# Altium PCB Audio-Beamformer_V1.0.PcbDoc (part 6 of 11) (continued)
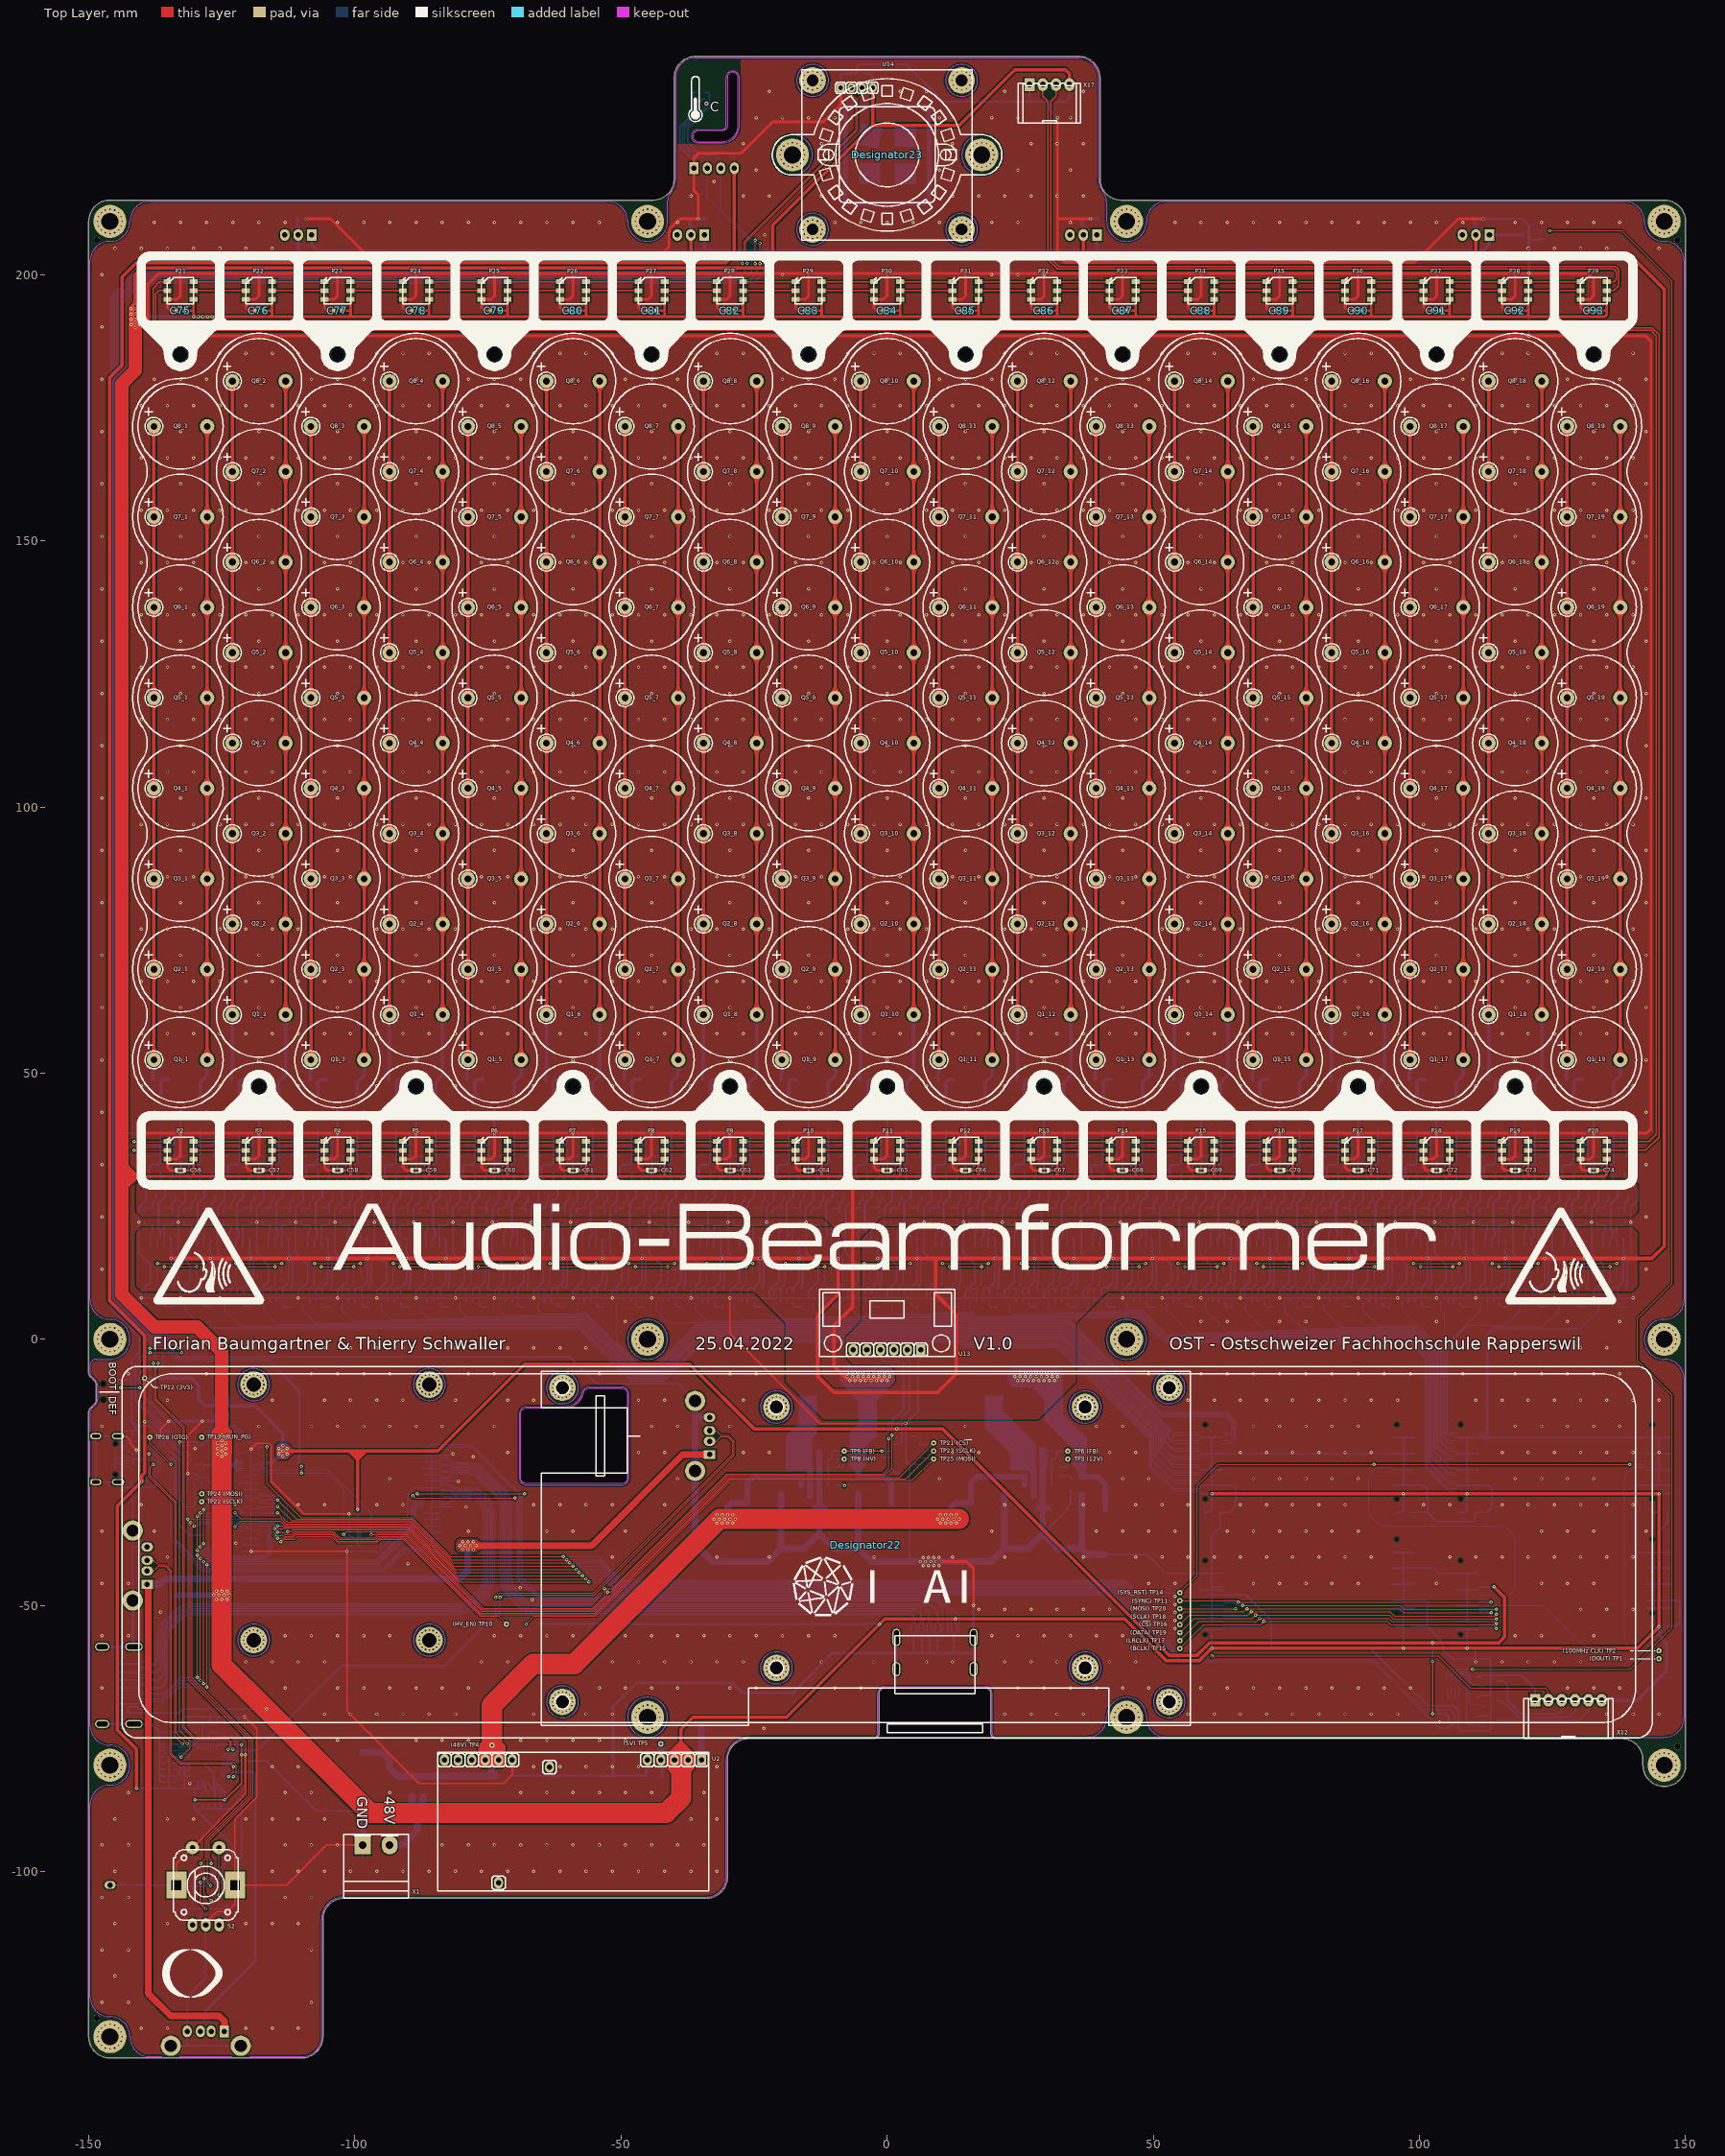
[diagram p0: Top Layer view]
## Nets (pads, with @x,y where several pads share a name; then routed paths per layer and width w, separated by ;. In a path a pad name is that pad's centre, name@x,y a point inside that pad or via, vN(x,y) a via of type N, cw(c..) or ccw(c..) an arc to the next point about the centre after c; other vN are vias at no path point) (continued)
22.125,155.75 27.042,155.75 31.958,155.75 36.875,155.75 41.792,155.75 46.708,155.75 51.625,155.75 56.542,155.75 61.458,155.75 66.375,155.75 71.292,155.75 76.208,155.75 81.125,155.75 86.042,155.75 90.958,155.75 95.875,155.75 100.792,155.75 105.708,155.75 110.625,155.75 115.542,155.75 120.458,155.75 125.375,155.75 130.292,155.75 135.208,155.75 140.125,155.75 -147.5,160.667 -132.75,160.667 -118,160.667 -103.25,160.667 -88.5,160.667 -73.75,160.667 -59,160.667 -44.25,160.667 -29.5,160.667 -14.75,160.667 0,160.667 14.75,160.667 29.5,160.667 44.25,160.667 59,160.667 73.75,160.667 88.5,160.667 103.25,160.667 118,160.667 132.75,160.667 142.583,160.667 -140.125,165.583 -135.208,165.583 -130.292,165.583 -125.375,165.583 -120.458,165.583 -115.542,165.583 -110.625,165.583 -105.708,165.583 -100.792,165.583 -95.875,165.583 -90.958,165.583 -86.042,165.583 -81.125,165.583 -76.208,165.583 -71.292,165.583 -66.375,165.583 -61.458,165.583 -56.542,165.583 -51.625,165.583 -46.708,165.583 -41.792,165.583 -36.875,165.583 -31.958,165.583 -27.042,165.583 -22.125,165.583 -17.208,165.583 -12.292,165.583 -7.375,165.583 -2.458,165.583 2.458,165.583 7.375,165.583 12.292,165.583 17.208,165.583 22.125,165.583 27.042,165.583 31.958,165.583 36.875,165.583 41.792,165.583 46.708,165.583 51.625,165.583 56.542,165.583 61.458,165.583 66.375,165.583 71.292,165.583 76.208,165.583 81.125,165.583 86.042,165.583 90.958,165.583 95.875,165.583 100.792,165.583 105.708,165.583 110.625,165.583 115.542,165.583 120.458,165.583 125.375,165.583 130.292,165.583 135.208,165.583 140.125,165.583 -147.5,170.5 -132.75,170.5 -118,170.5 -103.25,170.5 -88.5,170.5 -73.75,170.5 -59,170.5 -44.25,170.5 -29.5,170.5 -14.75,170.5 0,170.5 14.75,170.5 29.5,170.5 44.25,170.5 59,170.5 73.75,170.5 88.5,170.5 103.25,170.5 118,170.5 132.75,170.5 142.583,170.5 -140.125,175.417 -135.208,175.417 -130.292,175.417 -125.375,175.417 -120.458,175.417 -115.542,175.417 -110.625,175.417 -105.708,175.417 -100.792,175.417 -95.875,175.417 -90.958,175.417 -86.042,175.417 -81.125,175.417 -76.208,175.417 -71.292,175.417 -66.375,175.417 -61.458,175.417 -56.542,175.417 -51.625,175.417 -46.708,175.417 -41.792,175.417 -36.875,175.417 -31.958,175.417 -27.042,175.417 -22.125,175.417 -17.208,175.417 -12.292,175.417 -7.375,175.417 -2.458,175.417 2.458,175.417 7.375,175.417 12.292,175.417 17.208,175.417 22.125,175.417 27.042,175.417 31.958,175.417 36.875,175.417 41.792,175.417 46.708,175.417 51.625,175.417 56.542,175.417 61.458,175.417 66.375,175.417 71.292,175.417 76.208,175.417 81.125,175.417 86.042,175.417 90.958,175.417 95.875,175.417 100.792,175.417 105.708,175.417 110.625,175.417 115.542,175.417 120.458,175.417 125.375,175.417 130.292,175.417 135.208,175.417 140.125,175.417 -147.5,180.333 -137.667,180.333 -132.75,180.333 -127.833,180.333 -118,180.333 -108.167,180.333 -103.25,180.333 -98.333,180.333 -88.5,180.333 -78.667,180.333 -73.75,180.333 -68.833,180.333 -59,180.333 -49.167,180.333 -44.25,180.333 -39.333,180.333 -29.5,180.333 -19.667,180.333 -14.75,180.333 -9.833,180.333 0,180.333 9.833,180.333 14.75,180.333 19.667,180.333 29.5,180.333 39.333,180.333 44.25,180.333 49.167,180.333 59,180.333 68.833,180.333 73.75,180.333 78.667,180.333 88.5,180.333 98.333,180.333 103.25,180.333 108.167,180.333 118,180.333 127.833,180.333 132.75,180.333 137.667,180.333 142.583,180.333 -135.208,185.25 -130.292,185.25 -125.375,185.25 -120.458,185.25 -115.542,185.25 -110.625,185.25 -105.708,185.25 -100.792,185.25 -95.875,185.25 -90.958,185.25 -86.042,185.25 -81.125,185.25 -76.208,185.25 -71.292,185.25 -66.375,185.25 -61.458,185.25 -56.542,185.25 -51.625,185.25 -46.708,185.25 -41.792,185.25 -36.875,185.25 -31.958,185.25 -27.042,185.25 -22.125,185.25 -17.208,185.25 -12.292,185.25 -7.375,185.25 -2.458,185.25 2.458,185.25 7.375,185.25 12.292,185.25 17.208,185.25 22.125,185.25 27.042,185.25 31.958,185.25 36.875,185.25 41.792,185.25 46.708,185.25 51.625,185.25 56.542,185.25 61.458,185.25 66.375,185.25 71.292,185.25 76.208,185.25 81.125,185.25 86.042,185.25 90.958,185.25 95.875,185.25 100.792,185.25 105.708,185.25 110.625,185.25 115.542,185.25 120.458,185.25 125.375,185.25 130.292,185.25 135.208,185.25 140.125,185.25 -147.5,190.167 -125.375,195.083 -110.625,195.083 -95.875,195.083 -81.125,195.083 -66.375,195.083 -51.625,195.083 -36.875,195.083 -22.125,195.083 22.125,195.083 36.875,195.083 51.625,195.083 66.375,195.083 81.125,195.083 95.875,195.083 110.625,195.083 125.375,195.083 140.125,195.083 -147.5,200 -19.667,200 19.667,200 24.583,200 29.5,200 -145.042,204.917 -140.125,204.917 -135.208,204.917 -130.292,204.917 -125.375,204.917 -120.458,204.917 -115.542,204.917 120.458,204.917 125.375,204.917 130.292,204.917 135.208,204.917 145.042,204.917 -23,207.5 -137.667,209.833 -132.75,209.833 -127.833,209.833 -122.917,209.833 -118,209.833 -113.083,209.833 -103.25,209.833 -98.333,209.833 -93.417,209.833 -88.5,209.833 -83.583,209.833 -78.667,209.833 -73.75,209.833 -68.833,209.833 -63.917,209.833 -59,209.833 -54.083,209.833 -39.333,209.833 -9.833,209.833 -4.917,209.833 0,209.833 4.917,209.833 9.833,209.833 19.667,209.833 24.583,209.833 34.417,209.833 54.083,209.833 59,209.833 63.917,209.833 68.833,209.833 73.75,209.833 78.667,209.833 83.583,209.833 88.5,209.833 93.417,209.833 98.333,209.833 103.25,209.833 108.167,209.833 118,209.833 122.917,209.833 127.833,209.833 132.75,209.833 137.667,209.833 -36.875,214.75 -27.042,214.75 -22.125,214.75 -12.292,214.75 12.292,214.75 17.208,214.75 22.125,214.75 27.042,214.75 31.958,214.75 36.875,214.75 -32.5,217.5 -24.583,219.667 9.833,219.667 24.583,219.667 34.417,219.667 -27.042,224.583 -12.292,224.583 12.292,224.583 27.042,224.583 31.958,224.583 36.875,224.583 -24.583,229.5 -19.667,229.5 -14.75,229.5 -9.833,229.5 9.833,229.5 19.667,229.5 24.583,229.5 34.417,229.5 -22.125,234.417 2.458,234.417 7.375,234.417 22.125,234.417 36.875,234.417
A17_1: C15.2 C18.P C19.2 C20.2 C33.2 C34.2 C35.2 C36.2 C37.2 C38.2 C39.2 C46.2 C50.2 C95.2 C97.2 C98.2 P1.A R6.2 R33.2 R34.2 R35.2 TP12.1 U4.8 U5.78 U5.84 U5.86 U8.10 U9.5 U9.10 U9.13 U9.15 U9.17 U9.19 U9.21 U9.23 U9.27 U9.29 U9.36 U10.8 U11.8 U13.2 U15.5 U16.4 U16.5 X2_1.17 X18.4 | length 990.6
  Top Layer w0.254: v1(-130,-86.5) v1(-124.4,-86.5) -121.3,-83.4 v1(-121.3,-78) v1(-121.3,-76.1) ; v1(-129,-102) -129,-106 v1(-128,-107) ; -99.5,-21.1 -99.4,-21 ; v1(102.5,-70.362) v1(102.5,-60.5)
  Top Layer w0.635: v1(-141,-84.3) -141,-77 -144.6,-73.4 -144.6,-31.3 v1(-140,-26.7) -140,-25.6 -139.5,-25.1 v1(-139.5,-15.5) TP12.1@-139.5,-7.3 -139.5,0.7 -146.1,7.3 -146.1,180.6 -143.7,183 -143.7,199.55 -141,202.25 -30.25,202.25 -28.69,203.81 X18.4@-28.69,220 ; -114.4,-21 v1(-113.5,-21) -99.4,-21 -84.4,-21 -68.1,-4.7 -37.1,-4.7 -25,-16.8 v1(1.8,-16.8) 10.4,-16.8 53,-59.4 58.2,-59.4 60.6,-57 v1(102.5,-57) 114.9,-57 116,-55.9 116,-48.5 v1(114,-46.5) ; v1(-99.5,-32) -99.5,-21.1
  Bottom Layer w0.2: U5.78@-117.92,-24.6 -118.6,-24.6 -118.8,-24.4 -118.8,-23.6 -118.6,-23.4 -118.229,-23.4 U5.84@-117.92,-23.4 -117.2,-23.4 -117,-23.2 ; U5.86@-117.92,-23 -117.2,-23 -117,-23.2 ; -116.28,-23.2 -117,-23.2
  Bottom Layer w0.25: R34.2@-132,-106.238 -132,-106.8 -131.8,-107 v1(-128,-107) -124.2,-107 -124,-106.8 R35.2@-124,-106.238
  Bottom Layer w0.254: v1(-141,-84.3) -134.9,-84.3 ; v1(-140,-26.7) C33.2@-139.062,-26.7 -139.023,-26.661 -139.023,-26.023 -138.5,-25.5 U8.10@-138.5,-24.9 ; v1(-139.5,-15.5) -138.2,-15.5 -135.9,-17.8 -135.9,-19.8 -132.9,-22.8 -132.9,-34.9 -131,-36.8 P1.A@-128.55,-36.8 ; U9.19@-130.9,-82 -132,-82 ; U9.21@-130.9,-81 -131.6,-81 -132,-81.4 -132,-82 ; U9.23@-130.9,-80 -132,-80 -133.2,-81.2 -133.2,-81.7 -133.5,-82 C39.2@-134.138,-82 -134.9,-82 ; U9.27@-130.9,-78 -131.9,-78 -132.1,-77.8 -132.8,-77.8 -133.4,-78.4 C36.2@-134.138,-78.4 -134.9,-78.4 ; C46.2@-130.5,-101.238 -130.5,-101.8 -130.3,-102 v1(-129,-102) -128,-102 -127.238,-101.238 R33.2@-125.5,-101.238 -125.5,-99.6 -123,-97.1 -123,-95.1 -130,-88.1 v1(-130,-86.5) ; U9.17@-129.5,-82.9 -129.5,-84.3 ; U9.29@-129.5,-77.1 -129.5,-76.4 -129.8,-76.1 -130.5,-76.1 -131,-76.6 -132.8,-76.6 -133.4,-76 C38.2@-134.138,-76 -134.7,-76 -134.9,-76.2 -134.9,-78.4 ; U9.15@-128.5,-82.9 -128.5,-83.9 -128.9,-84.3 -129.5,-84.3 ; U9.13@-127.5,-82.9 -127.5,-83.6 -126.2,-84.9 C34.2@-126.2,-85.738 -126.2,-86.3 -126.4,-86.5 v1(-130,-86.5) ; U10.8@-127.025,-100.25 -125.531,-100.25 ; U9.10@-126,-82.9 -126,-83.5 -124.4,-85.1 v1(-124.4,-86.5) ; U9.36@-126,-77.1 -126,-76.4 -125.7,-76.1 v1(-121.3,-76.1) -120.7,-75.5 C35.2@-120.7,-73.762 ; U9.5@-125.1,-80 -123.6,-80 -122.8,-79.2 C37.2@-122.062,-79.2 -121.449,-79.2 -121.3,-79.051 v1(-121.3,-78) ; v1(-99.5,-32) -99.5,-36.5 ; U16.5@-98.76,-37 -99.5,-37 ; U16.4@-98.76,-36.5 -99.5,-36.5 ; C98.2@-98.738,-38.7 -99.3,-38.7 -99.5,-38.5 -99.5,-37 ; U15.5@-34.26,232.5 -33.4,232.5 ; C97.2@-34.238,234.25 -33.55,234.25 -33.4,234.1 -33.4,232.5 ; X18.4@-28.69,220 -28.69,221.99 -29.7,223 -35.6,223 -37.5,224.9 -37.5,227.5 -33.4,231.6 -33.4,232.5 ; U4.8@0.8,-19.695 2.405,-19.695 2.738,-19.362 R6.2@2.738,-18.1 2.738,-16.85 2.713,-16.825 C15.2@2.713,-16.8 ; v1(1.8,-16.8) C15.2@2.713,-16.8 ; C15.2@2.738,-16.8 C15.2@2.713,-16.8 ; U13.2@3.81,-2 3.81,-3.35 C95.2@4.142,-3.682 ; C95.2@4.238,-4 4.2,-4.038 4.2,-13.2 2.713,-14.687 C15.2@2.713,-16.8 ; v1(102.5,-70.362) C50.2@103.8,-70.362 104.962,-70.362 105.425,-70.825 U11.8@105.425,-71.85 ; v1(102.5,-60.5) v1(102.5,-57) ; X2_1.17@111.2,-46.5 v1(114,-46.5) ; -134.9,-84.3 -132,-84.3 ; -134.9,-84.3 -134.9,-82 ; -134.9,-82 -134.9,-78.4 ; -132,-84.3 -130,-84.3 ; -132,-84.3 -132,-82 ; v1(-130,-86.5) -130,-84.3 ; -130,-84.3 -129.5,-84.3 ; -99.5,-37 -99.5,-36.5
  Bottom Layer w0.635: TP12.1@-139.5,-7.3 C18.P@-133,-7.3 -130.7,-7.3 -129.4,-8.6 -129.4,-11.2 -128.1,-12.5 -126.2,-12.5 ; C20.2@-126.2,-10.976 -126.2,-12.5 ; -123.8,-12.5 C19.2@-123.8,-10.976 ; -116.28,-23.2 -115.5,-23.2 -114.3,-22 v1(-113.5,-22) v1(-113.5,-21) v1(-113.5,-20) -113.5,-17.7 -118.7,-12.5 -126.2,-12.5
  other v1: -114.25,-21.5 -112.75,-21.5 -114.25,-20.5 -112.75,-20.5
B20_1: X3_1.20
B21_1: X3_1.21
D39_1: TP14.1 U5.100 U9.26 X5_1.39 X5_2.39 | length 379.8
  Top Layer w0.152: v1(-132.9,-19.3) -132.9,-73.5 -130.9,-75.5 -130.9,-76.8 v1(-132.6,-78.5) ; v1(-116.5,-20.2) -116.5,-27.1 -110.076,-33.524 -89.276,-33.524 -82,-40.8 v1(-60.8,-40.8) ; TP14.1@55,-47.6 58.2,-44.4 58.2,-27.5 62.2,-23.5 v1(91.5,-23.5) v1(139.5,-23.5)
  Bottom Layer w0.152: v1(-132.9,-19.3) -128.5,-19.3 -127.8,-18.6 -127.8,-17.9 -126.4,-16.5 -122.7,-16.5 -119,-20.2 U5.100@-117.92,-20.2 v1(-116.5,-20.2) ; v1(-132.6,-78.5) U9.26@-130.9,-78.5 ; v1(-60.8,-40.8) -54.3,-40.8 -49.9,-45.2 44.7,-45.2 47.1,-47.6 TP14.1@55,-47.6 ; v1(91.5,-23.5) X5_2.39@94.8,-23.5 ; v1(139.5,-23.5) X5_1.39@142.8,-23.5
D40_1: TP2.1 X5_1.40 | length 43.2
  Bottom Layer w0.152: X5_1.40@142.8,-24 141,-24 140.707,-24 ccw(c140.707,-25.707) 139.5,-24.5 139.244,-24.756 ccw(c141.04,-26.552) 138.5,-26.552 138.5,-55.948 ccw(c141.04,-55.948) 139.244,-57.744 139.5,-58 ccw(c140.707,-56.793) 140.707,-58.5 TP2.1@145,-58.5
D40_2: R1.2 X5_2.40 | length 54
  Bottom Layer w0.152: X5_2.40@94.8,-24 93,-24 92.707,-24 ccw(c92.707,-25.707) 91.5,-24.5 91.244,-24.756 ccw(c93.04,-26.552) 90.5,-26.552 90.5,-32 ccw(c92.914,-32) 91.207,-33.707 91.793,-34.293 ccw(c93.5,-32.586) 93.5,-35 114.948,-35 cw(c114.948,-37.54) 116.744,-35.744 117.256,-36.256 cw(c115.46,-38.052) 118,-38.052 118,-46.293 cw(c116.293,-46.293) 117.5,-47.5 117.354,-47.646 ; R1.2@115.262,-48 116.5,-48 ccw(c116.5,-46.793) 117.353,-47.647
ENC_A: U5.31 U10.5 | length 85.4
  Top Layer w0.152: v1(-131.4,-33.8) -131.4,-63.861 -119.85,-75.411 -119.85,-85.589 -128.05,-93.789 -128.05,-97.575 v1(-128.975,-98.5)
  Bottom Layer w0.152: v1(-131.4,-33.8) U5.31@-121,-33.8 ; U10.5@-128.975,-100.25 v1(-128.975,-98.5)
ENC_B: U5.29 U10.2 | length 88
  Top Layer w0.152: v1(-130.8,-34.4) -130.8,-34.8 -131.025,-35.025 -131.025,-63.705 -119.475,-75.255 -119.475,-85.745 -127.675,-93.945 -127.675,-102.125 -127.2,-102.6 v1(-127.1,-102.6)
  Bottom Layer w0.152: v1(-130.8,-34.4) -129.5,-34.4 -129.3,-34.2 U5.29@-121,-34.2 ; U10.2@-127.675,-103.75 -127.628,-103.703 -127.628,-103.128 v1(-127.1,-102.6)
ENC_S: U5.27 U10.7 | length 83.7
  Top Layer w0.152: v1(-130.2,-35) -130.65,-35.45 -130.65,-63.55 -119.1,-75.1 -119.1,-85.9 -127.3,-94.1 -127.3,-97.555 -126.95,-97.905 v1(-126.95,-98.5)
  Bottom Layer w0.152: v1(-130.2,-35) -129.5,-35 -129.1,-34.6 U5.27@-121,-34.6 ; U10.7@-127.675,-100.25 -127.675,-98.725 -127.45,-98.5 v1(-126.95,-98.5)
HDMI0_CEC: U5.151 X6.13 | length 124
  Top Layer w0.152: v1(-89.1,-29.4) -88.7,-29.8 v1(-69.9,-29.8)
  Bottom Layer w0.152: v1(-89.1,-29.4) -88.7,-29.8 U5.151@-87.08,-29.8 ; v1(-69.9,-29.8) -69.438,-30.262 -69.438,-45.157 -65.457,-49.138 9.138,-49.138 10.5,-50.5 X6.13@10.5,-55.24
HDMI0_CK_N: U5.190 X6.12 | length 118.7
  Bottom Layer w0.152: U5.190@-84,-22.2 -83.535,-22.2 cw(c-83.535,-22.306) -83.46,-22.231 ccw(c-83.39,-22.16) -83.39,-22.26 -83.315,-22.26 -82.75,-22.26 -82.748,-22.26 cw(c-82.748,-23.233) -82.06,-22.545 -81.759,-22.846 ccw(c-81,-22.086) -81,-23.16 -78.761,-23.16 cw(c-78.761,-27.656) -75.582,-24.477 -71.779,-28.279 cw(c-74.868,-31.368) -70.5,-31.368 -70.5,-44.89 ccw(c-67.579,-44.89) -69.644,-46.956 -67.835,-48.765 ccw(c-65.769,-46.7) -65.769,-49.621 7.212,-49.621 cw(c7.212,-52.285) 9.096,-50.401 9.101,-50.405 cw(c7.799,-51.707) 9.64,-51.707 9.64,-52.913 ccw(c10.187,-52.913) 9.8,-53.3 cw(c9.317,-53.783) 10,-53.783 X6.12@10,-55.24
HDMI0_CK_P: U5.188 X6.10 | length 118.3
  Bottom Layer w0.152: U5.188@-84,-22.6 -83.535,-22.6 ccw(c-83.535,-22.494) -83.46,-22.569 cw(c-83.39,-22.64) -83.39,-22.54 -83.315,-22.54 -82.75,-22.54 cw(c-82.75,-23.239) -82.255,-22.745 -81.956,-23.044 ccw(c-81.001,-22.09) -81.001,-23.44 -78.761,-23.439 cw(c-78.761,-27.656) -75.779,-24.674 -71.977,-28.477 cw(c-74.868,-31.368) -70.779,-31.368 -70.779,-44.89 ccw(c-67.579,-44.89) -69.842,-47.153 -68.033,-48.963 ccw(c-65.769,-46.7) -65.769,-49.9 7.21,-49.9 cw(c7.21,-52.29) 8.9,-50.6 cw(c7.789,-51.711) 9.36,-51.711 9.36,-52.913 cw(c8.813,-52.913) 9.2,-53.3 ccw(c9.683,-53.783) 9,-53.783 X6.10@9,-55.24
HDMI0_D0_N: U5.184 X6.9 | length 116.5
  Bottom Layer w0.152: U5.184@-84,-23.4 -83.535,-23.4 cw(c-83.535,-23.506) -83.46,-23.431 ccw(c-83.39,-23.36) -83.39,-23.46 -83.315,-23.46 -82.75,-23.46 -82.219,-23.46 cw(c-82.219,-23.943) -81.878,-23.602 ; -81.877,-23.602 ccw(c-81.497,-23.222) -81.497,-23.76 -78.778,-23.76 cw(c-78.778,-27.697) -75.994,-24.913 -72.204,-28.704 cw(c-74.868,-31.368) -71.1,-31.368 -71.1,-44.907 ccw(c-67.62,-44.907) -70.081,-47.368 -68.247,-49.201 ccw(c-65.787,-46.741) -65.787,-50.221 6.195,-50.221 cw(c6.195,-52.203) 7.596,-50.801 7.598,-50.803 cw(c6.292,-52.11) 8.14,-52.11 8.14,-52.913 ccw(c8.687,-52.913) 8.3,-53.3 cw(c7.817,-53.783) 8.5,-53.783 X6.9@8.5,-55.24
HDMI0_D0_P: U5.182 X6.7 | length 116.1
  Bottom Layer w0.152: U5.182@-84,-23.8 -83.535,-23.8 ccw(c-83.535,-23.694) -83.46,-23.769 cw(c-83.39,-23.84) -83.39,-23.74 -83.315,-23.74 -82.75,-23.74 -82.221,-23.74 cw(c-82.221,-23.946) -82.075,-23.8 -82.073,-23.802 ccw(c-81.499,-23.227) -81.499,-24.04 -78.778,-24.04 cw(c-78.778,-27.697) -76.192,-25.111 -72.401,-28.901 cw(c-74.868,-31.368) -71.379,-31.368 -71.379,-44.907 ccw(c-67.62,-44.907) -70.278,-47.565 -68.445,-49.399 ccw(c-65.787,-46.741) -65.787,-50.5 6.193,-50.5 cw(c6.193,-52.207) 7.4,-51 cw(c6.289,-52.111) 7.86,-52.111 7.86,-52.913 cw(c7.313,-52.913) 7.7,-53.3 ccw(c8.183,-53.783) 7.5,-53.783 X6.7@7.5,-55.24
HDMI0_D1_N: U5.178 X6.6 | length 114.7
  Bottom Layer w0.152: U5.178@-84,-24.6 -83.535,-24.6 cw(c-83.535,-24.706) -83.46,-24.631 ccw(c-83.39,-24.56) -83.39,-24.66 -83.315,-24.66 -82.75,-24.66 -82.221,-24.66 ccw(c-82.221,-24.454) -82.075,-24.6 -82.073,-24.598 cw(c-81.499,-25.173) -81.499,-24.36 -81.018,-24.36 ccw(c-81.019,-24.208) -81.013,-24.36 cw(c-81,-24.64) -81,-24.36 -78.795,-24.36 cw(c-78.795,-27.738) -76.406,-25.35 -72.628,-29.128 cw(c-74.868,-31.368) -71.7,-31.368 -71.7,-44.924 ccw(c-67.661,-44.924) -70.517,-47.78 -68.659,-49.638 ccw(c-65.804,-46.782) -65.804,-50.821 5.136,-50.821 cw(c5.136,-52.461) 6.296,-51.301 6.298,-51.303 cw(c5.475,-52.127) 6.64,-52.127 6.64,-52.913 ccw(c7.187,-52.913) 6.8,-53.3 cw(c6.317,-53.783) 7,-53.783 X6.6@7,-55.24
HDMI0_D1_P: U5.176 X6.4 | length 114.2
  Bottom Layer w0.152: U5.176@-84,-25 -83.535,-25 ccw(c-83.535,-24.894) -83.46,-24.969 cw(c-83.39,-25.04) -83.39,-24.94 -83.315,-24.94 -82.75,-24.94 -82.219,-24.94 ccw(c-82.219,-24.457) -81.878,-24.798 ; -81.877,-24.798 cw(c-81.497,-25.178) -81.497,-24.64 -81,-24.64 ; -81,-24.64 -78.795,-24.64 cw(c-78.795,-27.738) -76.604,-25.547 -72.825,-29.325 cw(c-74.868,-31.368) -71.979,-31.368 -71.979,-44.924 ccw(c-67.661,-44.924) -70.715,-47.978 ; -70.715,-47.978 -68.857,-49.835 ccw(c-65.804,-46.782) -65.804,-51.1 5.134,-51.1 cw(c5.134,-52.466) 6.1,-51.5 cw(c5.472,-52.128) 6.36,-52.128 6.36,-52.913 cw(c5.813,-52.913) 6.2,-53.3 ccw(c6.683,-53.783) 6,-53.783 X6.4@6,-55.24
HDMI0_D2_N: U5.172 X6.3 | length 113
  Bottom Layer w0.152: U5.172@-84,-25.8 -83.535,-25.8 cw(c-83.535,-25.906) -83.46,-25.831 ccw(c-83.39,-25.76) -83.39,-25.86 -83.315,-25.86 -82.75,-25.86 ccw(c-82.75,-25.161) -82.255,-25.655 -81.956,-25.356 cw(c-81.001,-26.31) -81.001,-24.961 -78.812,-24.961 cw(c-78.812,-27.78) -76.819,-25.786 -73.052,-29.552 cw(c-74.869,-31.369) -72.3,-31.369 -72.3,-44.941 ccw(c-67.703,-44.941) -70.953,-48.192 -69.072,-50.074 ccw(c-65.821,-46.823) -65.821,-51.421 4.219,-51.421 cw(c4.219,-52.379) 4.897,-51.701 4.898,-51.703 cw(c4.316,-52.286) 5.14,-52.286 5.14,-52.913 ccw(c5.687,-52.913) 5.3,-53.3 cw(c4.817,-53.783) 5.5,-53.783 X6.3@5.5,-55.24
HDMI0_D2_P: U5.170 X6.1 | length 112.6
  Bottom Layer w0.152: U5.170@-84,-26.2 -83.535,-26.2 ccw(c-83.535,-26.094) -83.46,-26.169 cw(c-83.39,-26.24) -83.39,-26.14 -83.315,-26.14 -82.75,-26.14 -82.748,-26.14 ccw(c-82.748,-25.167) -82.06,-25.855 -81.759,-25.554 cw(c-81,-26.314) -81,-25.24 -78.812,-25.24 cw(c-78.812,-27.78) -77.016,-25.984 -73.25,-29.75 cw(c-74.869,-31.369) -72.579,-31.369 -72.579,-44.941 ccw(c-67.703,-44.941) -71.151,-48.39 -69.269,-50.272 ccw(c-65.821,-46.823) -65.821,-51.7 4.217,-51.7 cw(c4.217,-52.383) 4.7,-51.9 cw(c4.313,-52.287) 4.86,-52.287 4.86,-52.913 cw(c4.313,-52.913) 4.7,-53.3 ccw(c5.183,-53.783) 4.5,-53.783 X6.1@4.5,-55.24
HDMI0_HPLG: U5.153 X6.19 | length 125.9
  Top Layer w0.152: v1(-88.3,-29) v1(-68.1,-29)
  Bottom Layer w0.152: v1(-88.3,-29) -87.9,-29.4 U5.153@-87.08,-29.4 ; v1(-68.1,-29) -68.6,-29.5 -68.6,-44.81 -65.11,-48.3 9.8,-48.3 13.5,-52 X6.19@13.5,-55.24
HDMI0_SCL: U5.200 X6.15 | length 121.8
  Bottom Layer w0.152: U5.200@-84,-20.2 -78.095,-20.2 -69.159,-29.136 -69.159,-45.041 -65.341,-48.859 9.359,-48.859 11.5,-51 X6.15@11.5,-55.24
HDMI0_SDA: U5.199 X6.16 | length 125.8
  Bottom Layer w0.152: U5.199@-87.08,-20.2 -86.1,-20.2 -85.6,-19.7 -78.2,-19.7 -68.879,-29.021 -68.879,-44.925 -65.225,-48.579 9.579,-48.579 12,-51 X6.16@12,-55.24
HDMI1_CEC: U5.149 X7.13 | length 85.1
  Top Layer w0.152: v1(-129.6,-63.5) v1(-129.6,-40.55)
  Bottom Layer w0.152: X7.13@-140.74,-66.5 -135.7,-66.5 -132.7,-63.5 v1(-129.6,-63.5) ; v1(-129.6,-40.55) -127.705,-40.55 -126.805,-41.45 -126.7,-41.45 -95.95,-41.45 -89.4,-34.9 -89.4,-31.2 -88.4,-30.2 U5.149@-87.08,-30.2
HDMI1_CK_N: U5.166 X7.12 | length 106.8
  Bottom Layer w0.152: X7.12@-140.74,-66 -139.283,-66 ccw(c-139.283,-65.317) -138.8,-65.8 cw(c-138.413,-66.187) -138.413,-65.64 -137.207,-65.64 ccw(c-137.207,-63.799) -135.905,-65.101 -135.901,-65.096 ccw(c-137.785,-63.212) -135.121,-63.212 -135.121,-56.331 cw(c-132.2,-56.331) -134.265,-54.265 -132.556,-52.556 cw(c-130.49,-54.621) -130.49,-51.7 -126.5,-51.7 -80.5,-51.7 ccw(c-80.5,-46.823) -77.052,-50.272 -75.17,-48.39 ccw(c-78.618,-44.941) -73.741,-44.941 -73.741,-32.937 ccw(c-78.618,-32.937) -75.17,-29.489 -75.429,-29.229 ccw(c-78.494,-32.294) -78.494,-27.96 -81,-27.96 cw(c-81,-26.886) -81.759,-27.646 -82.06,-27.345 ccw(c-82.748,-28.033) -82.748,-27.06 -82.75,-27.06 -83.315,-27.06 -83.39,-27.06 cw(c-83.39,-26.96) -83.46,-27.031 ccw(c-83.535,-27.106) -83.535,-27 U5.166@-84,-27
HDMI1_CK_P: U5.164 X7.10 | length 105.9
  Bottom Layer w0.152: X7.10@-140.74,-65 -139.283,-65 cw(c-139.283,-65.683) -138.8,-65.2 ccw(c-138.413,-64.813) -138.413,-65.36 -137.211,-65.36 ccw(c-137.211,-63.789) -136.1,-64.9 ccw(c-137.79,-63.21) -135.4,-63.21 -135.4,-56.331 cw(c-132.2,-56.331) -134.463,-54.067 -132.753,-52.358 cw(c-130.49,-54.621) -130.49,-51.421 -126.5,-51.421 -80.5,-51.421 ccw(c-80.5,-46.823) -77.249,-50.074 -75.367,-48.192 ccw(c-78.618,-44.941) -74.021,-44.941 -74.021,-32.937 ccw(c-78.618,-32.937) -75.367,-29.687 -75.627,-29.427 ccw(c-78.494,-32.294) -78.494,-28.239 -81.001,-28.239 cw(c-81.001,-26.89) -81.956,-27.844 -82.255,-27.545 ccw(c-82.75,-28.039) -82.75,-27.34 -83.315,-27.34 -83.39,-27.34 ccw(c-83.39,-27.44) -83.46,-27.369 cw(c-83.535,-27.294) -83.535,-27.4 U5.164@-84,-27.4
HDMI1_D0_N: U5.160 X7.9 | length 103.7
  Bottom Layer w0.152: X7.9@-140.74,-64.5 -139.283,-64.5 ccw(c-139.283,-63.817) -138.8,-64.3 cw(c-138.413,-64.687) -138.413,-64.14 -137.61,-64.14 ccw(c-137.61,-62.292) -136.303,-63.598 -136.301,-63.596 ccw(c-137.703,-62.195) -135.721,-62.195 -135.721,-56.313 cw(c-132.241,-56.313) -134.701,-53.853 -132.968,-52.119 cw(c-130.507,-54.58) -130.507,-51.1 -126.5,-51.1 -81,-51.1 -80.517,-51.1 ccw(c-80.517,-46.782) -77.464,-49.835 -75.606,-47.978 ; U5.160@-84,-28.2 -83.535,-28.2 cw(c-83.535,-28.306) -83.46,-28.231 ccw(c-83.39,-28.16) -83.39,-28.26 -83.315,-28.26 -82.75,-28.26 -82.219,-28.26 cw(c-82.219,-28.743) -81.878,-28.402 ; -81.877,-28.402 ccw(c-81.497,-28.022) -81.497,-28.56 -78.494,-28.56 cw(c-78.494,-32.294) -75.854,-29.654 -75.606,-29.901 cw(c-78.659,-32.955) -74.341,-32.955 -74.341,-44.924 cw(c-78.659,-44.924) -75.606,-47.978
HDMI1_D0_P: U5.158 X7.7 | length 102.8
  Bottom Layer w0.152: X7.7@-140.74,-63.5 -139.283,-63.5 cw(c-139.283,-64.183) -138.8,-63.7 ccw(c-138.413,-63.313) -138.413,-63.86 -137.611,-63.86 ccw(c-137.611,-62.289) -136.5,-63.4 ccw(c-137.707,-62.193) -136,-62.193 -136,-56.313 cw(c-132.241,-56.313) -134.899,-53.655 -133.165,-51.922 cw(c-130.507,-54.58) -130.507,-50.821 -126.5,-50.821 -81,-50.821 -80.517,-50.821 ccw(c-80.517,-46.782) -77.661,-49.638 -75.804,-47.78 ccw(c-78.659,-44.924) -74.621,-44.924 -74.621,-32.955 ccw(c-78.659,-32.955) -75.804,-30.099 -76.051,-29.851 ccw(c-78.494,-32.294) -78.494,-28.84 -81.499,-28.84 cw(c-81.499,-28.027) -82.073,-28.602 -82.075,-28.6 ccw(c-82.221,-28.746) -82.221,-28.54 -82.75,-28.54 -83.315,-28.54 -83.39,-28.54 ccw(c-83.39,-28.64) -83.46,-28.569 cw(c-83.535,-28.494) -83.535,-28.6 U5.158@-84,-28.6
HDMI1_D1_N: U5.154 X7.6 | length 100.9
  Bottom Layer w0.152: X7.6@-140.74,-63 -139.283,-63 ccw(c-139.283,-62.317) -138.8,-62.8 cw(c-138.413,-63.187) -138.413,-62.64 -137.627,-62.64 ccw(c-137.627,-61.475) -136.803,-62.298 -136.801,-62.296 ccw(c-137.961,-61.136) -136.321,-61.136 -136.321,-56.296 cw(c-132.282,-56.296) -135.138,-53.441 -133.38,-51.683 cw(c-130.524,-54.539) -130.524,-50.5 -126.5,-50.5 -81,-50.5 -80.534,-50.5 ccw(c-80.534,-46.741) -77.876,-49.399 -76.042,-47.565 ccw(c-78.7,-44.907) -74.941,-44.907 -74.941,-32.972 ccw(c-78.7,-32.972) -76.042,-30.313 -76.278,-30.078 ccw(c-78.494,-32.294) -78.494,-29.16 -81,-29.16 ccw(c-81,-29.44) -81.013,-29.16 cw(c-81.019,-29.008) -81.018,-29.161 -81.499,-29.161 ccw(c-81.499,-29.973) -82.073,-29.398 -82.075,-29.4 cw(c-82.221,-29.254) -82.221,-29.46 -82.75,-29.46 -83.315,-29.46 -83.39,-29.46 cw(c-83.39,-29.36) -83.46,-29.431 ccw(c-83.535,-29.506) -83.535,-29.4 U5.154@-84,-29.4
HDMI1_D1_P: U5.152 X7.4 | length 100
  Bottom Layer w0.152: X7.4@-140.74,-62 -139.283,-62 cw(c-139.283,-62.683) -138.8,-62.2 ccw(c-138.413,-61.813) -138.413,-62.36 -137.628,-62.36 ccw(c-137.628,-61.472) -137,-62.1 ccw(c-137.966,-61.134) -136.6,-61.134 -136.6,-56.296 cw(c-132.282,-56.296) -135.335,-53.243 -133.578,-51.485 cw(c-130.524,-54.539) -130.524,-50.221 -126.5,-50.221 -81,-50.221 -80.534,-50.221 ccw(c-80.534,-46.741) -78.074,-49.201 -76.24,-47.368 ccw(c-78.7,-44.907) -75.221,-44.907 -75.221,-32.972 ccw(c-78.7,-32.972) -76.24,-30.511 -76.475,-30.275 ccw(c-78.494,-32.294) -78.494,-29.44 -81,-29.44 ; U5.152@-84,-29.8 -83.535,-29.8 ccw(c-83.535,-29.694) -83.46,-29.769 cw(c-83.39,-29.84) -83.39,-29.74 -83.315,-29.74 -82.75,-29.74 -82.219,-29.74 ccw(c-82.219,-29.257) -81.878,-29.598 ; -81.877,-29.598 cw(c-81.497,-29.978) -81.497,-29.44 -81,-29.44
HDMI1_D2_N: U5.148 X7.3 | length 98.2
  Bottom Layer w0.152: X7.3@-140.74,-61.5 -139.283,-61.5 ccw(c-139.283,-60.817) -138.8,-61.3 cw(c-138.413,-61.687) -138.413,-61.14 -137.786,-61.14 ccw(c-137.786,-60.316) -137.203,-60.898 -137.201,-60.897 ccw(c-137.879,-60.219) -136.921,-60.219 -136.921,-56.279 cw(c-132.323,-56.279) -135.574,-53.028 -133.792,-51.247 cw(c-130.541,-54.497) -130.541,-49.9 -126.5,-49.9 -81,-49.9 -80.551,-49.9 ccw(c-80.551,-46.7) -78.288,-48.963 -76.479,-47.153 ccw(c-78.742,-44.89) -75.541,-44.89 -75.541,-32.989 ccw(c-78.742,-32.989) -76.479,-30.726 -76.702,-30.502 ccw(c-78.494,-32.294) -78.494,-29.761 -81.001,-29.761 ccw(c-81.001,-31.11) -81.956,-30.156 -82.255,-30.455 cw(c-82.75,-29.961) -82.75,-30.66 -83.315,-30.66 -83.39,-30.66 cw(c-83.39,-30.56) -83.46,-30.631 ccw(c-83.535,-30.706) -83.535,-30.6 U5.148@-84,-30.6